# Altium PCB ATM1099C-0627-ssy-1.brd.PcbDoc (part 1 of 4) (continued)
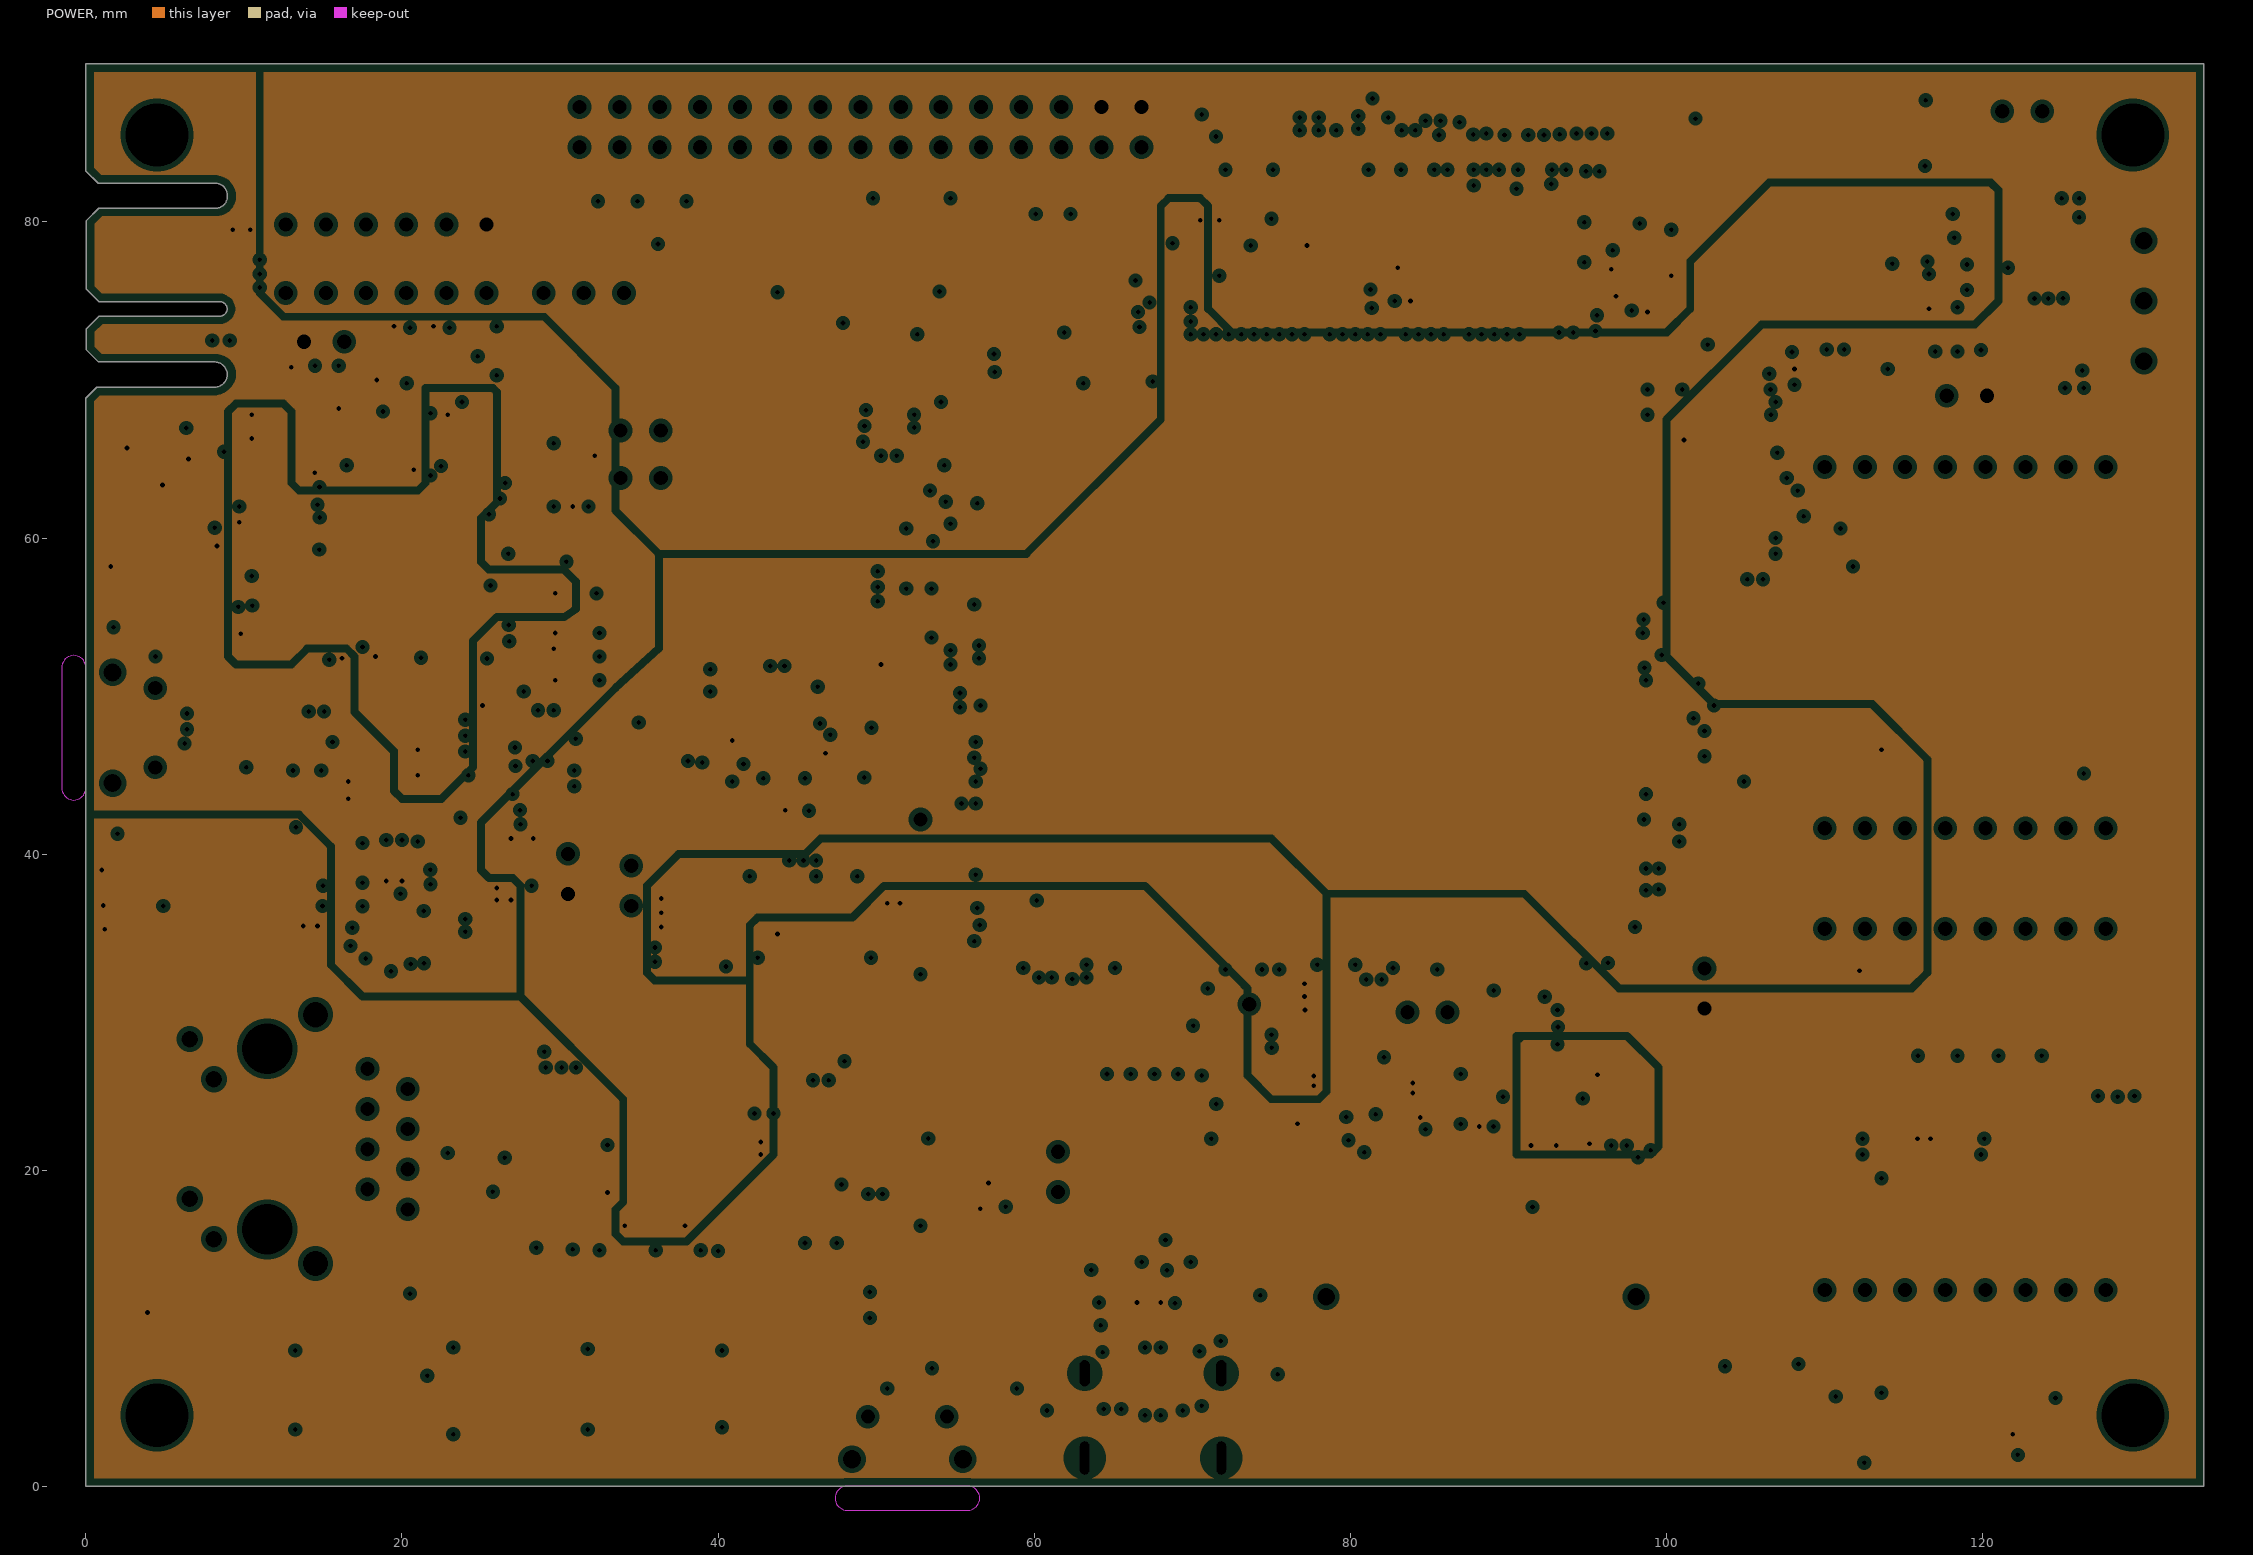
[diagram p3: POWER, clearances drawn from the general rule]
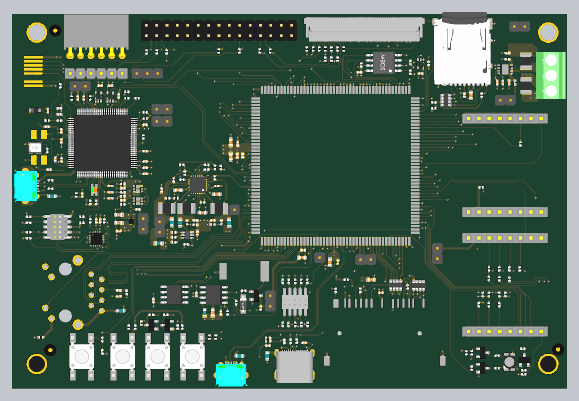
[diagram p7: 3D render of the assembled board from above, using the file's embedded part models]

## Layer stack, top to bottom
Top Solder: solder mask 0.018, Solder Resist, Dk 3.5
TOP: signal copper 0.035
Dielectric 1: prepreg 0.111, FR-4, Dk 4.7
GND: plane copper 0.035, net GND_POWER
Dielectric2: core 1.2, FR-4, Dk 4.5
POWER: plane copper 0.035, net VDD_3V3
Dielectric3: prepreg 0.111, FR-4, Dk 4.7
BOTTOM: signal copper 0.035
Bottom Solder: solder mask 0.018, Solder Resist, Dk 3.5

## Board outline
0,0 0,68.845 0.694,69.539 8.175,69.539 ccw(c8.128,70.36) 8.951,70.351 ccw(c8.133,70.325) 8.183,71.141 0.799,71.141 0.041,71.899 0.041,73.245 0.834,74.038 8.443,74.038 ccw(c8.468,74.519) 8.949,74.495 ccw(c8.47,74.473) 8.448,74.952 0.83,74.952 0.041,75.741 0.041,80.089 0.822,80.87 8.265,80.87 ccw(c8.232,81.587) 8.949,81.62 ccw(c8.196,81.689) 8.196,82.445 0.782,82.445 0,83.228 0,90 134,90 134,0

## Design rules (kind name [scope] priority, off if disabled: settings)
AcuteAngle [All] p1: minimum=9.00000000000000E+0001 checktracksonly=TRUE
BoardOutlineClearance BoardOutlineClearance_ignore_usb [InComponent('J15','J17','J19','J12','J10')] p1: gap=0 ignorepadtopadclearanceinfootprint=FALSE
BoardOutlineClearance BoardOutlineClearance_Overlay [OnLayer('Top Overlay','Bottom Overlay') or InComponent('MH2')] p2: gap=0.5 ignorepadtopadclearanceinfootprint=FALSE
BoardOutlineClearance [All] p3: gap=0.5 ignorepadtopadclearanceinfootprint=FALSE
Clearance "Net to Polygon 0.5mm" [InNet('your net here') vs (IsRegion)] p1: gap=0.5 ignorepadtopadclearanceinfootprint=FALSE
Clearance "Poly 0.3mm" [(IsRegion)] p2: gap=0.3 ignorepadtopadclearanceinfootprint=FALSE
Clearance [All] p3: gap=0.15 ignorepadtopadclearanceinfootprint=TRUE except(0.2: Arc-SMDPad Arc-THPad Arc-Hole Track-SMDPad Track-THPad Track-Hole Fill-Hole Poly-Hole Region-Hole Text-Hole)
ComponentClearance ComponentClearance_ignore_edge_to_hole [InComponent('MH2','J6')] p1: gap=0 collisioncheckmode=3 verticalgap=0 showdistances=FALSE
ComponentClearance ComponentClearance_ignore_designator [InComponent('Y2','R139') vs InComponent('Y1')] p2: gap=0 collisioncheckmode=3 verticalgap=0 showdistances=FALSE
ComponentClearance ComponentClearance_ignore [HasFootprint('NET_TIE_0.5mm')] p3: gap=0 collisioncheckmode=3 verticalgap=0 showdistances=FALSE
ComponentClearance [All] p4: gap=0.2 collisioncheckmode=3 verticalgap=0.2 showdistances=FALSE
DiffPairsRouting DiffPairs_100Ohm_DiffPairsRouting [InDifferentialPairClass('100Ohm_Diff')] p1: maxlimit=0.6 minlimit=0.25 mostfreqgap=0.33 toplayer_minwidth=0.15 toplayer_maxwidth=0.15 toplayer_prefwidth=0.15 bottomlayer_minwidth=0.15 bottomlayer_maxwidth=0.15 bottomlayer_prefwidth=0.15 maxuncoupledlength=12.7
DiffPairsRouting DiffPair_90Ohm_DiffPairsRouting [InDifferentialPairClass('90Ohm_Diff')] p2: maxlimit=0.6 minlimit=0.1 mostfreqgap=0.18 toplayer_minwidth=0.155 toplayer_maxwidth=0.155 toplayer_prefwidth=0.155 bottomlayer_minwidth=0.155 bottomlayer_maxwidth=0.155 bottomlayer_prefwidth=0.155 maxuncoupledlength=12.7
DiffPairsRouting [All] p3: maxlimit=0.25 minlimit=0.25 mostfreqgap=0.25 toplayer_minwidth=0.25 toplayer_maxwidth=0.25 toplayer_prefwidth=0.25 bottomlayer_minwidth=0.25 bottomlayer_maxwidth=0.25 bottomlayer_prefwidth=0.25 maxuncoupledlength=12.7
FabricationTestPointUsage TestPointUsage [All] p1: valid=0 allowmultiple=FALSE
FabricationTestpoint Testpoint [All] p1: side=3 testpointundercomponent=TRUE minsize=1.016 maxsize=2.54 preferedsize=1.524 minholesize=0 maxholesize=1.016 preferedholesize=0.813 testpointgrid=0.025 allowsidetop=TRUE allowsidebottom=TRUE usegrid=TRUE gridtolerance=0
HoleSize [All] p1: absolutevalues=TRUE maxlimit=6 minlimit=0.25 maxpercent=80.000 minpercent=20.000
HoleToHoleClearance [All] p1: gap=0.3 allowstackedmicrovias=FALSE
MatchedLengths MatchedLengths_USB_DiffPairs [InxSignalClass('USB_CHJ10_1_DL')] p1: tolerance=0.127 checknetsindiffpair=TRUE checkdiffpairvsdiffpair=FALSE checkxsignals=FALSE checkothers=FALSE
MatchedLengths DiffPair_90Ohm_MatchedLengths [InDifferentialPair ('J10_USB')] p2: tolerance=1.25 checknetsindiffpair=TRUE checkdiffpairvsdiffpair=FALSE checkxsignals=FALSE checkothers=FALSE
MinimumAnnularRing [All] p1: minimumring=0.15
MinimumSolderMaskSliver MinimumSolderMaskSliver_ignore [InComponent('Q1','Q2','U12','U1','U8','U7','J26','U5','U6','U10','J10','J14','J17','Q7')] p1: minsoldermaskwidth=0
MinimumSolderMaskSliver [All] p2: minsoldermaskwidth=0.15
PlaneClearance PlaneClearance_pads [IsPad] p1: clearance=0.4
PlaneClearance PlaneClearance_drill [All] p2: clearance=0.3
PlaneConnect PlaneConnect_full [IsVia] p1: planeconnectstyle=Direct reliefexpansion=0.5 reliefentries=4 reliefconductorwidth=0.3 reliefairgap=0.3
PlaneConnect [All] p2: planeconnectstyle=Relief reliefexpansion=0.3 reliefentries=4 reliefconductorwidth=0.25 reliefairgap=0.25
PolygonConnect PolygonConnect_0.7 [IsNamedPolygon('0.7mm') vs (InPadClass('All Pads'))] p1: connectstyle=Relief reliefconductorwidth=0.7 reliefentries=4 polygonreliefangle="90 Angle" airgapwidth=0.25
PolygonConnect PolygonConnect_0.5 [IsNamedPolygon('0.5mm') vs (InPadClass('All Pads'))] p2: connectstyle=Relief reliefconductorwidth=0.5 reliefentries=4 polygonreliefangle="90 Angle" airgapwidth=0.25
PolygonConnect PolygonConnect_full [All vs IsVia or IsNamedPolygon('full')] p3: connectstyle=Direct reliefconductorwidth=0 reliefentries=4 polygonreliefangle="90 Angle" airgapwidth=0.254
PolygonConnect [All] p4: connectstyle=Relief reliefconductorwidth=0.3 reliefentries=4 polygonreliefangle="90 Angle" airgapwidth=0.25
RoutingCorners [All] p1: cornerstyle=45-Degree minsetback=2.5 maxsetback=2.5
RoutingVias [All] p1: holewidth=0.4 width=0.8 viastyle="Through Hole" minholewidth=0.3 minwidth=0.7 maxholewidth=1.6 maxwidth=2.5
SMDToCorner [All] p1: distance=39370
ShortCircuit [IsNet] p1: allowed=FALSE
SilkToSilkClearance [All] p1: silktosilkclearance=0.15
SilkToSolderMaskClearance SilkToSolderMaskClearance_ignore [InComponent('U5') vs InComponent('U5')] p1: minsilkscreentomaskgap=0.254 clearancetoexposedcopper=TRUE
SilkToSolderMaskClearance SilkscreenOverComponentPads [IsPad] p2: minsilkscreentomaskgap=0.15 clearancetoexposedcopper=TRUE
SolderMaskExpansion SolderMaskExpansion_Component_Via [IsComponentVia] p1: expansion=0.075 soldermaskfromhole=TRUE
SolderMaskExpansion [All] p2: expansion=0.1
ViasUnderSMD [All] p1: allowed=FALSE
Width [All] p1: maxlimit=7 minlimit=0.1 preferedwidth=0.25
17 further rules are at their usual default settings.

## Classes and differential pairs
differential pair USBB: +USBB_P -USBB_N
differential pair USBA: +USBA_P -USBA_N
differential pair TX: +TX_P -TX_N
differential pair RX: +RX_P -RX_N
differential pair J10_USB: +J10_USB_P -J10_USB_N
differential pair DHSD: +DHSD_P -DHSD_N

## Components (designator, comment, footprint, x,y, rotation, side; value= is the part's Value field where it differs from the comment)
C1 "Capacitor NP" CAP_C_0402 29.2,42.3 r180 top value=0.1uF
C2 "Capacitor NP" CAP_C_0603 48.5,46 r0 top value=10uF
C3 "Capacitor NP" CAP_C_0603 39,47 r180 top value=10uF
C4 "Capacitor NP" CAP_C_0402 25.5,44.5 r180 top value=0.1uF
C5 "Capacitor NP" CAP_C_0603 45,41.5 r0 top value=10uF
C6 "Capacitor NP" CAP_C_0402 34.975,47 r90 top value=4.7uF
C7 "Capacitor NP" CAP_C_0402 48.5,48 r0 top value=4.7uF
C8 "Capacitor NP" CAP_C_0402 43.3,39.6 r0 top value=4.7uF
C9 "Capacitor NP" CAP_C_0402 25.5,47.5 r180 top value=0.1uF
C10 "Capacitor NP" CAP_C_0402 47.5,39.6 r180 top value=4.7uF
C12 "Capacitor NP" CAP_C_0402 61.5,10.5 r270 top value=0.1uF
C13 "Capacitor NP" CAP_C_0402 59.2,18.2 r270 top value=0.1uF
C14 "Capacitor POL" CAP_AX_P8.3L11.7D6.8H1.8 52.621,42.937 r270 top value=220mF
C15 "Capacitor NP" CAP_C_0402 43.75,36.5 r90 top value=0.1uF
C16 "Capacitor NP" CAP_C_0603 51.9,55.1 r270 top value=2.2uF
C17 "Capacitor NP" CAP_C_0402 53.5,55.4 r270 top value=0.1uF
C18 "Capacitor NP" CAP_C_0402 54.8,55.4 r270 top value=0.1uF
C19 "Capacitor NP" CAP_C_0603 69.3,30.5 r0 top value=2.2uF
C20 "Capacitor NP" CAP_C_0402 69.6,32.3 r0 top value=0.1uF
C21 "Capacitor NP" CAP_C_0603 51.9,58.7 r90 top value=2.2uF
C22 "Capacitor NP" CAP_C_0402 53.6,58.3 r90 top value=0.1uF
C23 "Capacitor NP" CAP_C_0603 76.1,29.4 r270 top value=2.2uF
C24 "Capacitor NP" CAP_C_0402 78.1,29.4 r270 top value=0.1uF
C25 "Capacitor NP" CAP_C_0402 14.5,69.5 r270 top value=10000pF
C26 "Capacitor NP" CAP_C_0402 7.221,66.456 r90 top value=10000pF
C27 "Capacitor NP" CAP_C_0402 15.6,45.8 r270 top value=10pF
C28 "Capacitor NP" CAP_C_0402 9,54.5 r90 top value=8.2pF
C29 "Capacitor NP" CAP_C_0402 7.5,52 r180 top value=8.2pF
C30 "Capacitor NP" CAP_C_0402 31,51 r0 top value=0.1uF
C31 "Capacitor NP" CAP_C_0402 31,52.5 r0 top value=0.1uF
C32 "Capacitor NP" CAP_C_0402 10.5,59 r270 top value=0.1uF
C33 "Capacitor NP" CAP_C_0402 20,39.5 r90 top value=4.7uF
C34 "Capacitor NP" CAP_C_0402 31,54 r0 top value=0.1uF
C35 "Capacitor NP" CAP_C_0402 31,63 r0 top value=0.1uF
C36 "Capacitor NP" CAP_C_0402 16,69.5 r90 top value=0.1uF
C37 "Capacitor NP" CAP_C_0402 22.5,48 r0 top value=0.1uF
C38 "Capacitor NP" CAP_C_0402 22.5,45 r0 top value=4.7uF
C39 "Capacitor NP" CAP_C_0402 10,67 r180 top value=0.1uF
C40 "Capacitor NP" CAP_C_0402 22.5,46.5 r0 top value=0.1uF
C41 "Capacitor NP" CAP_C_0402 10.5,61.5 r90 top value=0.1uF
C42 "Capacitor NP" CAP_C_0402 24.5,70 r90 top value=0.1uF
C43 "Capacitor NP" CAP_C_0402 10,65.5 r180 top value=0.1uF
C44 "Capacitor NP" CAP_C_0402 31,56.5 r0 top value=0.1uF
C45 "Capacitor NP" CAP_C_0402 10.525,54.4 r90 top value=0.1uF
C46 "Capacitor NP" CAP_C_0402 22.5,72.5 r0 top value=0.1uF
C47 "Capacitor NP" CAP_C_0402 20,72.5 r0 top value=0.1uF
C48 "Capacitor NP" CAP_C_0402 19,39.5 r90 top value=0.1uF
C49 "Capacitor NP" CAP_C_0603 24.5,41 r180 top value=2.2uF
C50 "Capacitor NP" CAP_C_0603 24.5,39 r180 top value=2.2uF
C51 "Capacitor NP" CAP_C_0402 24.5,37 r180 top value=0.1uF
C52 "Capacitor NP" CAP_C_0402 83.3,75.8 r180 top value=0.1uF
C53 "Capacitor NP" CAP_C_0603 86.2,25.1 r0 top value=10uF
C54 "Capacitor NP" CAP_C_0402 88.6,21.9 r0 top value=0.1uF
C55 "Capacitor NP" CAP_C_0402 98.3,75.5 r180 top value=0.1uF
C56 "Capacitor NP" CAP_C_0603 110.6,70.2 r270 top value=10uF
C57 "Capacitor NP" CAP_C_0402 109,70.2 r270 top value=0.1uF
C58 "Capacitor NP" CAP_C_0402 33,20 r90 top value=0.1uF
C59 "Capacitor NP" CAP_C_0402 117,73.3 r270 top value=0.1uF
C60 "Capacitor NP" CAP_C_0402 119.5,80.5 r180 top value=4.7uF
C61 "Capacitor NP" CAP_C_0402 119.9,73.3 r270 top value=0.1uF
C62 "Capacitor NP" CAP_C_0402 118.4,73.3 r270 top value=15pF
C63 "Capacitor NP" CAP_C_0402 24.5,21 r0 top value=0.1uF
C64 "Capacitor NP" CAP_C_0402 24.5,22.5 r0 top value=0.1uF
C65 "Capacitor NP" CAP_C_0402 61,9 r0 top value=20pF
C66 "Capacitor NP" CAP_C_0402 49.5,17 r90 top value=0.1uF
C67 "Capacitor NP" CAP_C_0603 47.5,17 r90 top value=10uF
C68 "Capacitor NP" CAP_C_0402 43.5,21.5 r90 top value=0.1uF
C69 "Capacitor NP" CAP_C_0402 69.832,9.661 r0 top value=330pF
C70 "Capacitor NP" CAP_C_0402 65.006,10.042 r90 top value=330pF
C71 "Capacitor NP" CAP_C_0402 7,62.5 r0 top value=0.1uF
D1 "Diode Schottky Dual CK-1" SOT-23-3_REVERSED 58.1,21.2 r270 top value=BAT54C
D2 "Diode Schottky" SOD-123FL 54.922,19.136 r90 top value=RB160M-60TR
D3 "Diode Single" SOD-323 4,66.5 r180 top value=1N4148
D4 "LED DUAL 4 pin" LED_DUAL_SMD_2x1.25mm 18.5,47 r270 top value="RED, GREEN"
D5 "LED_RGB_CLV1A" PLCC-4_CLV1A-FKB 120,5 r90 top value="RED, GREEN, BLUE"
J1 "Header 1x2" HDR_M_2.54_1x2 30.5,38.75 r270 top value="HDR-2.54 Male 1x2"
J2 "Header 1x2" HDR_M_2.54_1x2 34.5,38 r270 top value="HDR-2.54 Male 1x2"
J4 "Header 1x2" HDR_M_2.54_1x2 61.5,19.9 r90 top value="HDR-2.54 Male 1x2"
J5 "Header 1x1" HDR_M_2.54_1x1 73.6,30.5 r0 top value="HDR-2.54 Male 1x1"
J6 "pads on PCB" CON_EDGE-CARD_PCB_RA_MEC1-108-02-F-D-RA1-SL 3.638,76.501 r270 top
J7 "Header 1x2" HDR_M_2.54_1x2 35.1,66.8 r0 top value="HDR-2.54 Male 1x2"
J8 "Header 1x2" HDR_M_2.54_1x2 15.075,72.425 r0 top value="HDR-2.54 Male 1x2"
J9 "Header 1x2" HDR_M_2.54_1x2 35.1,63.8 r0 top value="HDR-2.54 Male 1x2"
J10 "CON USB2.0 Mini_Micro" CON_USB_MICRO-AB_SMD_TH_RA_FCI_10118194-0001LF 1.7,48 r90 top value="USB2.0 MICRO-B FEMALE"
J11 "Header 2x5" HDR_M_1.27_2x5_SMD_V_SAM_FTSH-105-01-F-DV-K 9.5,38 r90 top value="HDR-1.27 Male 2x5"
J12 "SD_MMCPlus_CARD" 7SDMM-X0-2211 77.575,19.35 r0 top
J13 "Header 1x2" HDR_M_2.54_1x2 122.5,87 r0 top value="HDR-2.54 Male 1x2"
J14 "CON FLASH Micro SD Card w DET + GND" "CON FLASH MICROSD 8+2P PUSH-PUSH SMD" 108.629,81.045 r180 top value=DM3AT-SF-PEJM5
J15 "RJ45 J00-0061" J00-0061NL_RJ45_connector 11.475,21.975 r270 top value=RJ45
J16 "CON TERM BLK 1x3 TH Mount" CON_TERMINAL_3.81_1x3_TH_RA_PHO_1727023 130.2,75 r270 top value=1727023
J17 "CON USB2.0 Mini_Micro" CON_USB_MICRO-AB_SMD_TH_RA_FCI_10118194-0001LF 51.976,1.724 r180 top value="USB2.0 MICRO-B FEMALE"
J18 "Header 1x2" HDR_M_2.54_1x2 84.875,30 r0 top value="HDR-2.54 Male 1x2"
J19 "CON USB3.1-C Female SMD RA" "CON USB3.1-C FEMALE SMD RA 1054500101" 67.6,3.8 r0 top value="USB 3.1 C"
J20 "Header 1x6" HDR_M_2.54_1x6 19,75.5 r180 top value="HDR-2.54 Male 1x6"
J21 "Header 1x6" HDR_F_2.54_1x6_RA 19,79.84 r0 top value="HDR-2.54 Female 1x6"
J22 "Header 1x2" HDR_M_2.54_1x2 119,69 r0 top value="HDR-2.54 Male 1x2"
J23 "Header 1x3" HDR_M_2.54_1x3 31.5,75.5 r180 top value="HDR-2.54 Male 1x3"
J24 "Header 1x8" HDR_F_2.54_1X8 118.9,64.5 r180 top value="HDR-2.54 Female 1x8"
J25 "Header 1x8" HDR_F_2.54_1X8 118.9,41.64 r180 top value="HDR-2.54 Female 1x8"
J26 "CON FFC 1x50 Mount" CON_FFC_0.5_FEMALE_1X50_SMD_OMR_XF2M-5015-1A 84.502,86.241 r0 top value="FFC/FPC 50P Female"
J27 "Header 2x15" HDR_M_2.54_2x15 49,86 r180 top
J28 "Header 1x2" HDR_M_2.54_1x2 102.4,31.5 r270 top value="HDR-2.54 Male 1x2"
J29 "Header 1x8" HDR_F_2.54_1X8 118.9,35.29 r180 top value="HDR-2.54 Female 1x8"
J30 "Header 1x8" HDR_F_2.54_1X8 118.9,12.43 r180 top value="HDR-2.54 Female 1x8"
J31 "Header 2x5" HDR_M_1.27_2x5_SMD_V_SAM_FTS-105-01-L-DV 67.6,19.7 r0 top value=FTS-105-01-L-DV
J32 "Header 1x1" HDR_M_2.54_1x1 52.8,42.2 r0 top value="HDR-2.54 Male 1x1"
L1 "Ferrite Bead" IND_C_0603 34.25,34 r0 top value=180R
L2 "Ferrite Bead" IND_C_0603 37.498,39.1 r270 top value=180R
L3 "Inductor" IND_C_1210 36.25,42.575 r180 top value=1uH
L5 "Ferrite Bead" IND_C_0603 39.5,39 r270 top value=180R
L6 "Inductor" IND_C_1210 41.125,42.575 r180 top value=1uH
L7 "Ferrite Bead" IND_C_0603 51.5,39 r270 top value=180R
L8 "Inductor" IND_C_1210 49,42.5 r0 top value=1uH
L9 "Ferrite Bead" IND_C_0603 8.25,45.5 r0 top value=180R
L10 "Ferrite Bead" IND_C_0603 25,17.5 r0 top value=180R
L11 "Ferrite Bead" IND_C_0603 54,6.5 r0 top value=180R
L12 "Ferrite Bead" IND_C_0603 45.5,17 r90 top value=180R
L13 "Ferrite Bead" IND_C_0603 60.8,6.5 r90 top value=180R
LABEL1 "LABEL_Need_Help_Large" LABEL_Need_Help_Large 78.237,73.926 r180 bottom value="Label Need Help Large"
MH1 "PTH_1" HOLE2#1 129.5,4.5 r0 top
MH2 "PTH_1" HOLE2#2 4.5,85.5 r0 top
MH3 "PTH_1" HOLE2#1 4.5,4.5 r0 top
MH4 "PTH_1" HOLE2#1 129.5,85.5 r0 top
PAD1 "Rubber Pad Cylindrical" BUMP_3M_SJ61A2_CYLINDRICAL_BLACK_D9.53H5.97 128.2,5.575 r180 bottom value="Bumpon CYL D9.53H5.97"
PAD2 "Rubber Pad Cylindrical" BUMP_3M_SJ61A2_CYLINDRICAL_BLACK_D9.53H5.97 123.7,80.525 r180 bottom value="Bumpon CYL D9.53H5.97"
PAD3 "Rubber Pad Cylindrical" BUMP_3M_SJ61A2_CYLINDRICAL_BLACK_D9.53H5.97 5.7,63.875 r180 bottom value="Bumpon CYL D9.53H5.97"
PAD4 "Rubber Pad Cylindrical" BUMP_3M_SJ61A2_CYLINDRICAL_BLACK_D9.53H5.97 5.8,5.85 r180 bottom value="Bumpon CYL D9.53H5.97"
PB1 "Switch 4 Pin" SW_SMD_6mmX6mm_TL3301 15.5,6.3 r270 top value="TACT SPST"
PB2 "Switch 4 Pin" SW_SMD_6mmX6mm_TL3301 25.5,6.3 r270 top value="TACT SPST"
PB3 "Switch 4 Pin" SW_SMD_6mmX6mm_TL3301 34,6.3 r90 top value="TACT SPST"
PB4 "Switch 4 Pin" SW_SMD_6mmX6mm_TL3301 42.5,6.3 r270 top value="TACT SPST"
Q1 "Transistor U-DFN2020-6-SGDSGD" U-DFN2020-6_2.0x2.0 29.2,44.3 r0 top value=DMP2160
Q2 "Transistor U-DFN2020-6-SGDSGD" U-DFN2020-6_2.0x2.0 29.225,47.3 r0 top value=DMP2160
Q6 "Transistor MOS-N GSD" SOT-23-3 32.5,14 r90 top value=BSS138
Q7 "Transistor MOS-N GSD" SOT-23-3 36.375,14 r90 top value=BSS138
Q8 "Transistor MOS-N GSD" SOT-23-3 113.5,3.5 r270 top value=BSS138
Q9 "Transistor MOS-N GSD" SOT-23-3 113.5,7.25 r270 top value=BSS138
Q10 "Transistor MOS-N GSD" SOT-23-3 123.655,5.47 r0 top value=BSS138
R1 "Resistor" RES_C_0402 25.5,43.5 r180 top value=100k
R2 "Resistor" RES_C_0402 36.5,45 r0 top value=309k
R3 "Resistor" RES_C_0402 25.5,45.5 r0 top value=10k
R4 "Resistor" RES_C_0402 45,44 r0 top value=100R
R5 "Resistor" RES_C_0402 38.5,45 r0 top value=71.5k
R6 "Resistor" RES_C_0402 41.2,39.1 r270 top value=301k
R7 "Resistor" RES_C_0402 38,49.5 r90 top value=10k
R8 "Resistor" RES_C_0402 25.5,48.5 r180 top value=100k
R9 "Resistor" RES_C_0402 43.25,38.5 r0 top value=158k
R10 "Resistor" RES_C_0402 39.911,53.197 r0 top value=10k
R11 "Resistor" RES_C_0402 49.6,39.1 r270 top value=309k
R12 "Resistor" RES_C_0402 25.5,46.5 r180 top value=100k
R13 "Resistor" RES_C_0402 48,50 r90 top value=10k
R14 "Resistor" RES_C_0402 47.5,38.6 r180 top value=71.5k
R15 "Resistor" RES_C_0402 46.007,53.197 r180 top value=10k
R16 "Resistor" RES_C_0402 40,49.5 r0 top value=10k
R17 "Resistor" RES_C_0402 40.673,51.165 r270 top value=0R
R18 "Resistor" RES_C_0402 48.039,52.562 r90 top value=10k
R19 "Resistor" RES_C_0402 46,52 r180 top value=0R
R20 "Resistor" RES_C_0402 55.049,22.361 r0 top value=100R
R21 "Resistor" RES_C_0402 38,34.25 r180 top value=0R
R22 "Resistor" RES_C_0402 38,36.65 r180 top value=0R
R23 "Resistor" RES_C_0402 20.5,10.5 r270 top value=100R
R24 "Resistor" RES_C_0402 27,13.5 r270 top value=100R
R25 "Resistor" RES_C_0402 38,35.5 r180 top value=0R
R26 "Resistor" RES_C_0402 41,33.75 r0 top value=10k
R27 "Resistor" RES_C_0402 75,81.5 r90 top value=39R
R28 "Resistor" RES_C_0402 75,79 r270 top value=10k
R29 "Resistor" RES_C_0402 29,69.5 r0 top value=0R
R30 "Resistor" RES_C_0402 26.5,71 r180 top value=100R
R31 "Resistor" RES_C_0402 10.25,72.5 r270 top value=100R
R32 "Resistor" RES_C_0402 31,66 r180 top value=10k
R33 "Resistor" RES_C_0402 26.5,69.5 r0 top value=150R
R34 "Resistor" RES_C_0402 7,64 r0 top value=10k
R35 "Resistor" RES_C_0402 10,64 r0 top value=100R
R36 "Resistor" RES_C_0402 13,69.5 r270 top value=0R
R37 "Resistor" RES_C_0402 14.1,45.8 r90 top value=6.8k
R38 "Resistor" RES_C_0402 31,64.5 r180 top value=10k
R39 "Resistor" RES_C_0402 17.5,69.5 r270 top value=100k
R40 "Resistor" RES_C_0402 7.85,49.425 r0 top value=39R
R41 "Resistor" RES_C_0402 7.85,47.3 r0 top value=39R
R42 "Resistor" RES_C_0402 19,44 r270 top value=220R
R43 "Resistor" RES_C_0402 17.5,44 r270 top value=220R
R44 "Resistor" RES_C_0402 17.5,39.5 r270 top value=150R
R45 "Resistor" RES_C_0402 21,39.5 r90 top value=150R
R46 "Resistor" RES_C_0402 2.5,35.25 r0 top value=100k
R47 "Resistor" RES_C_0402 2.5,39 r0 top value=100k
R48 "Resistor" RES_C_0402 2.5,36.75 r0 top value=100k
R49 "Resistor" RES_C_0402 30.5,60 r90 top value=150R
R50 "Resistor" RES_C_0402 15.5,40.5 r180 top value=0R
R51 "Resistor" RES_C_0402 2.5,40.5 r180 top value=100R
R52 "Resistor" RES_C_0402 80.1,25.1 r0 top value=0R
R53 "Resistor" RES_C_0402 95.8,78.2 r90 top value=10k
R54 "Resistor" RES_C_0402 83.8,77.6 r90 top value=10k
R56 "Resistor" RES_C_0402 95.131,23.352 r90 top value=10k
R57 "Resistor" RES_C_0402 77.5,22.5 r270 top value=10k
R58 "Resistor" RES_C_0402 83.5,22.5 r270 top value=10k
R59 "Resistor" RES_C_0402 100.236,77.962 r90 top value=10k
R60 "Resistor" RES_C_0402 95.8,75.8 r90 top value=10k
R61 "Resistor" RES_C_0402 101.5,67 r180 top value=0R
R62 "Resistor" RES_C_0402 101.5,68.5 r180 top value=10k
R63 "Resistor" RES_C_0402 113.2,70.2 r90 top value=10k
R64 "Resistor" RES_C_0402 26.5,22 r90 top value=0R
R65 "Resistor" RES_C_0402 121.4,73.3 r90 top value=0R
R66 "Resistor" RES_C_1210 124,72.5 r270 top value=62R
R67 "Resistor" RES_C_1210 124,78.5 r270 top value=62R
R68 "Resistor" RES_C_0402 119.5,79 r180 top value=0R
R69 "Resistor" RES_C_0402 5.5,11 r0 top value=470R
R70 "Resistor" RES_C_0402 60.5,10.5 r90 top value=100k
R71 "Resistor" RES_C_0402 70.6,24.7 r270 top value=200k
R72 "Resistor" RES_C_0402 46.7,11.1 r270 top value=100R
R73 "Resistor" RES_C_0402 48.2,11.1 r270 top value=100R
R74 "Resistor" RES_C_0402 117,3.5 r0 top value=2.2k
R75 "Resistor" RES_C_0402 117,6.5 r0 top value=2.2k
R76 "Resistor" RES_C_0402 123.25,8.25 r180 top value=1k
R77 "Resistor" RES_C_0402 51.1,17 r270 top value=10k
R78 "Resistor" RES_C_0402 66.505,10.042 r270 top value=36k
R79 "Resistor" RES_C_0402 68.003,10.068 r270 top value=36k
R80 "Resistor" RES_C_0402 113.1,47.7 r0 top value=0R
R81 "Resistor" RES_C_0402 72,81.5 r90 top value=0R
R82 "Resistor" RES_C_0402 36.2,80.8 r270 top value=39R
R83 "Resistor" RES_C_0402 70.5,81.5 r90 top value=0R
R84 "Resistor" RES_C_0402 33.8,80.8 r270 top value=22R